# KiCad board dlev-mini.kicad_pcb
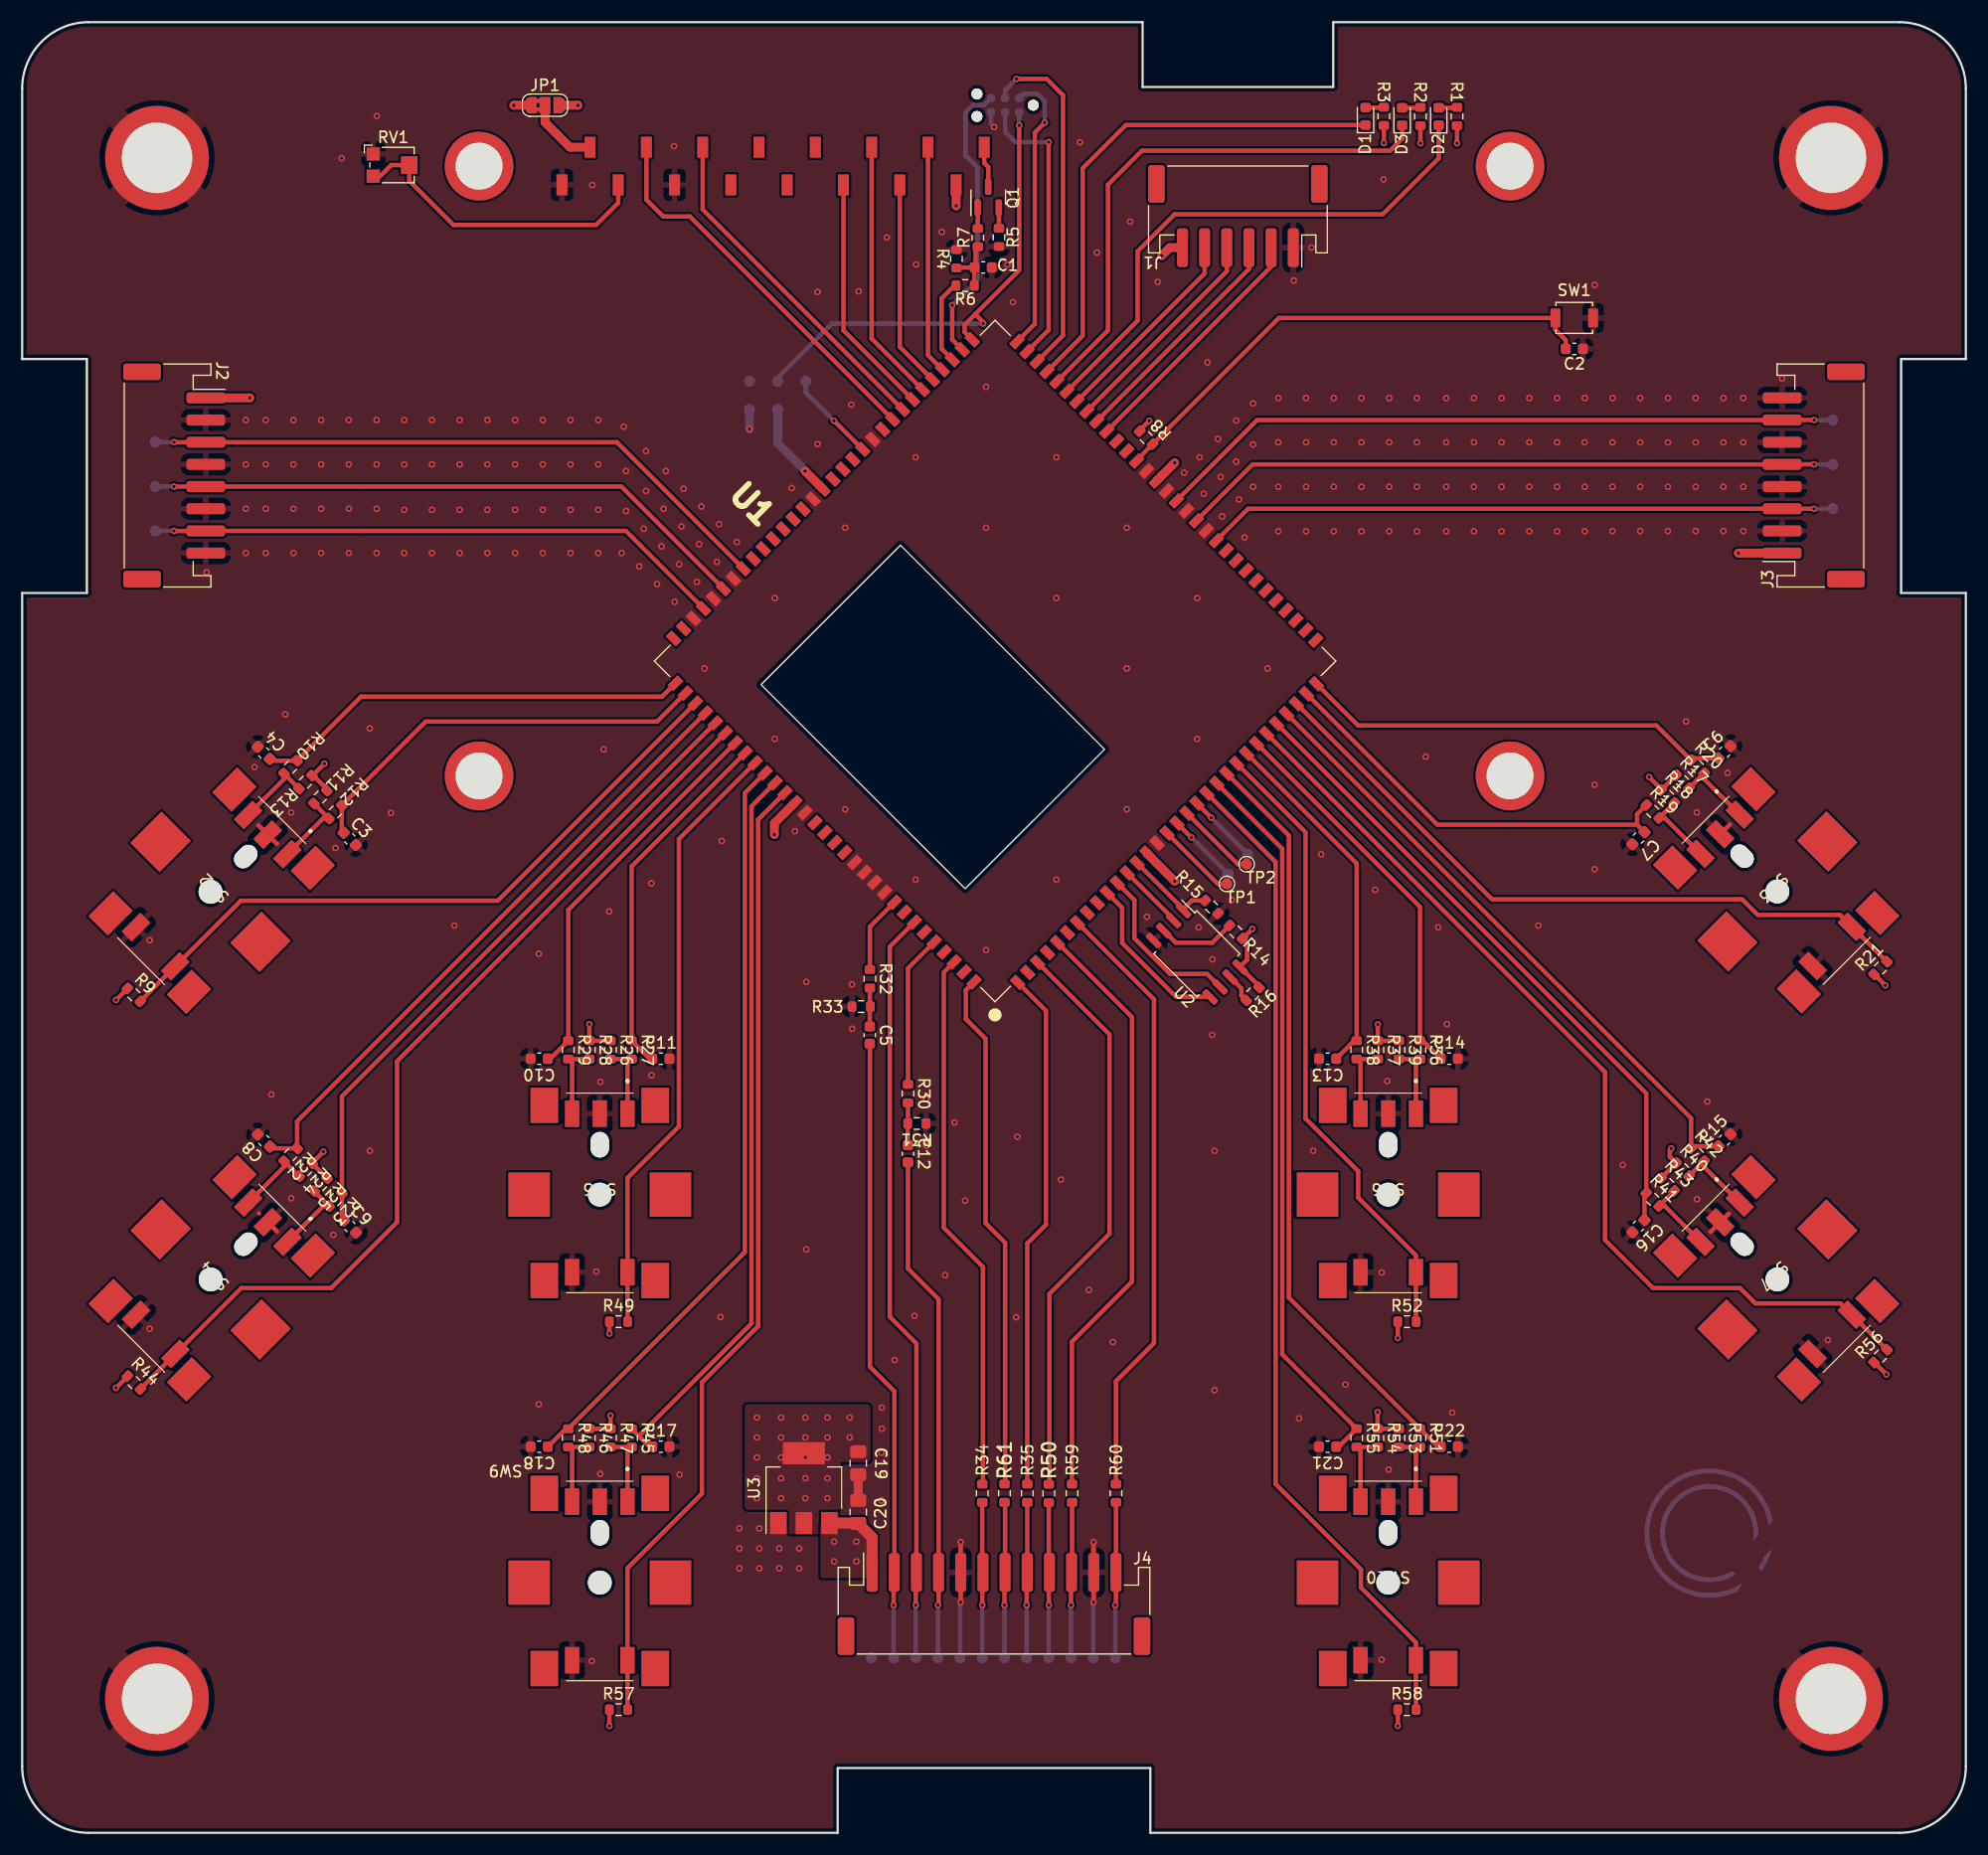
[diagram p0: board, top side]
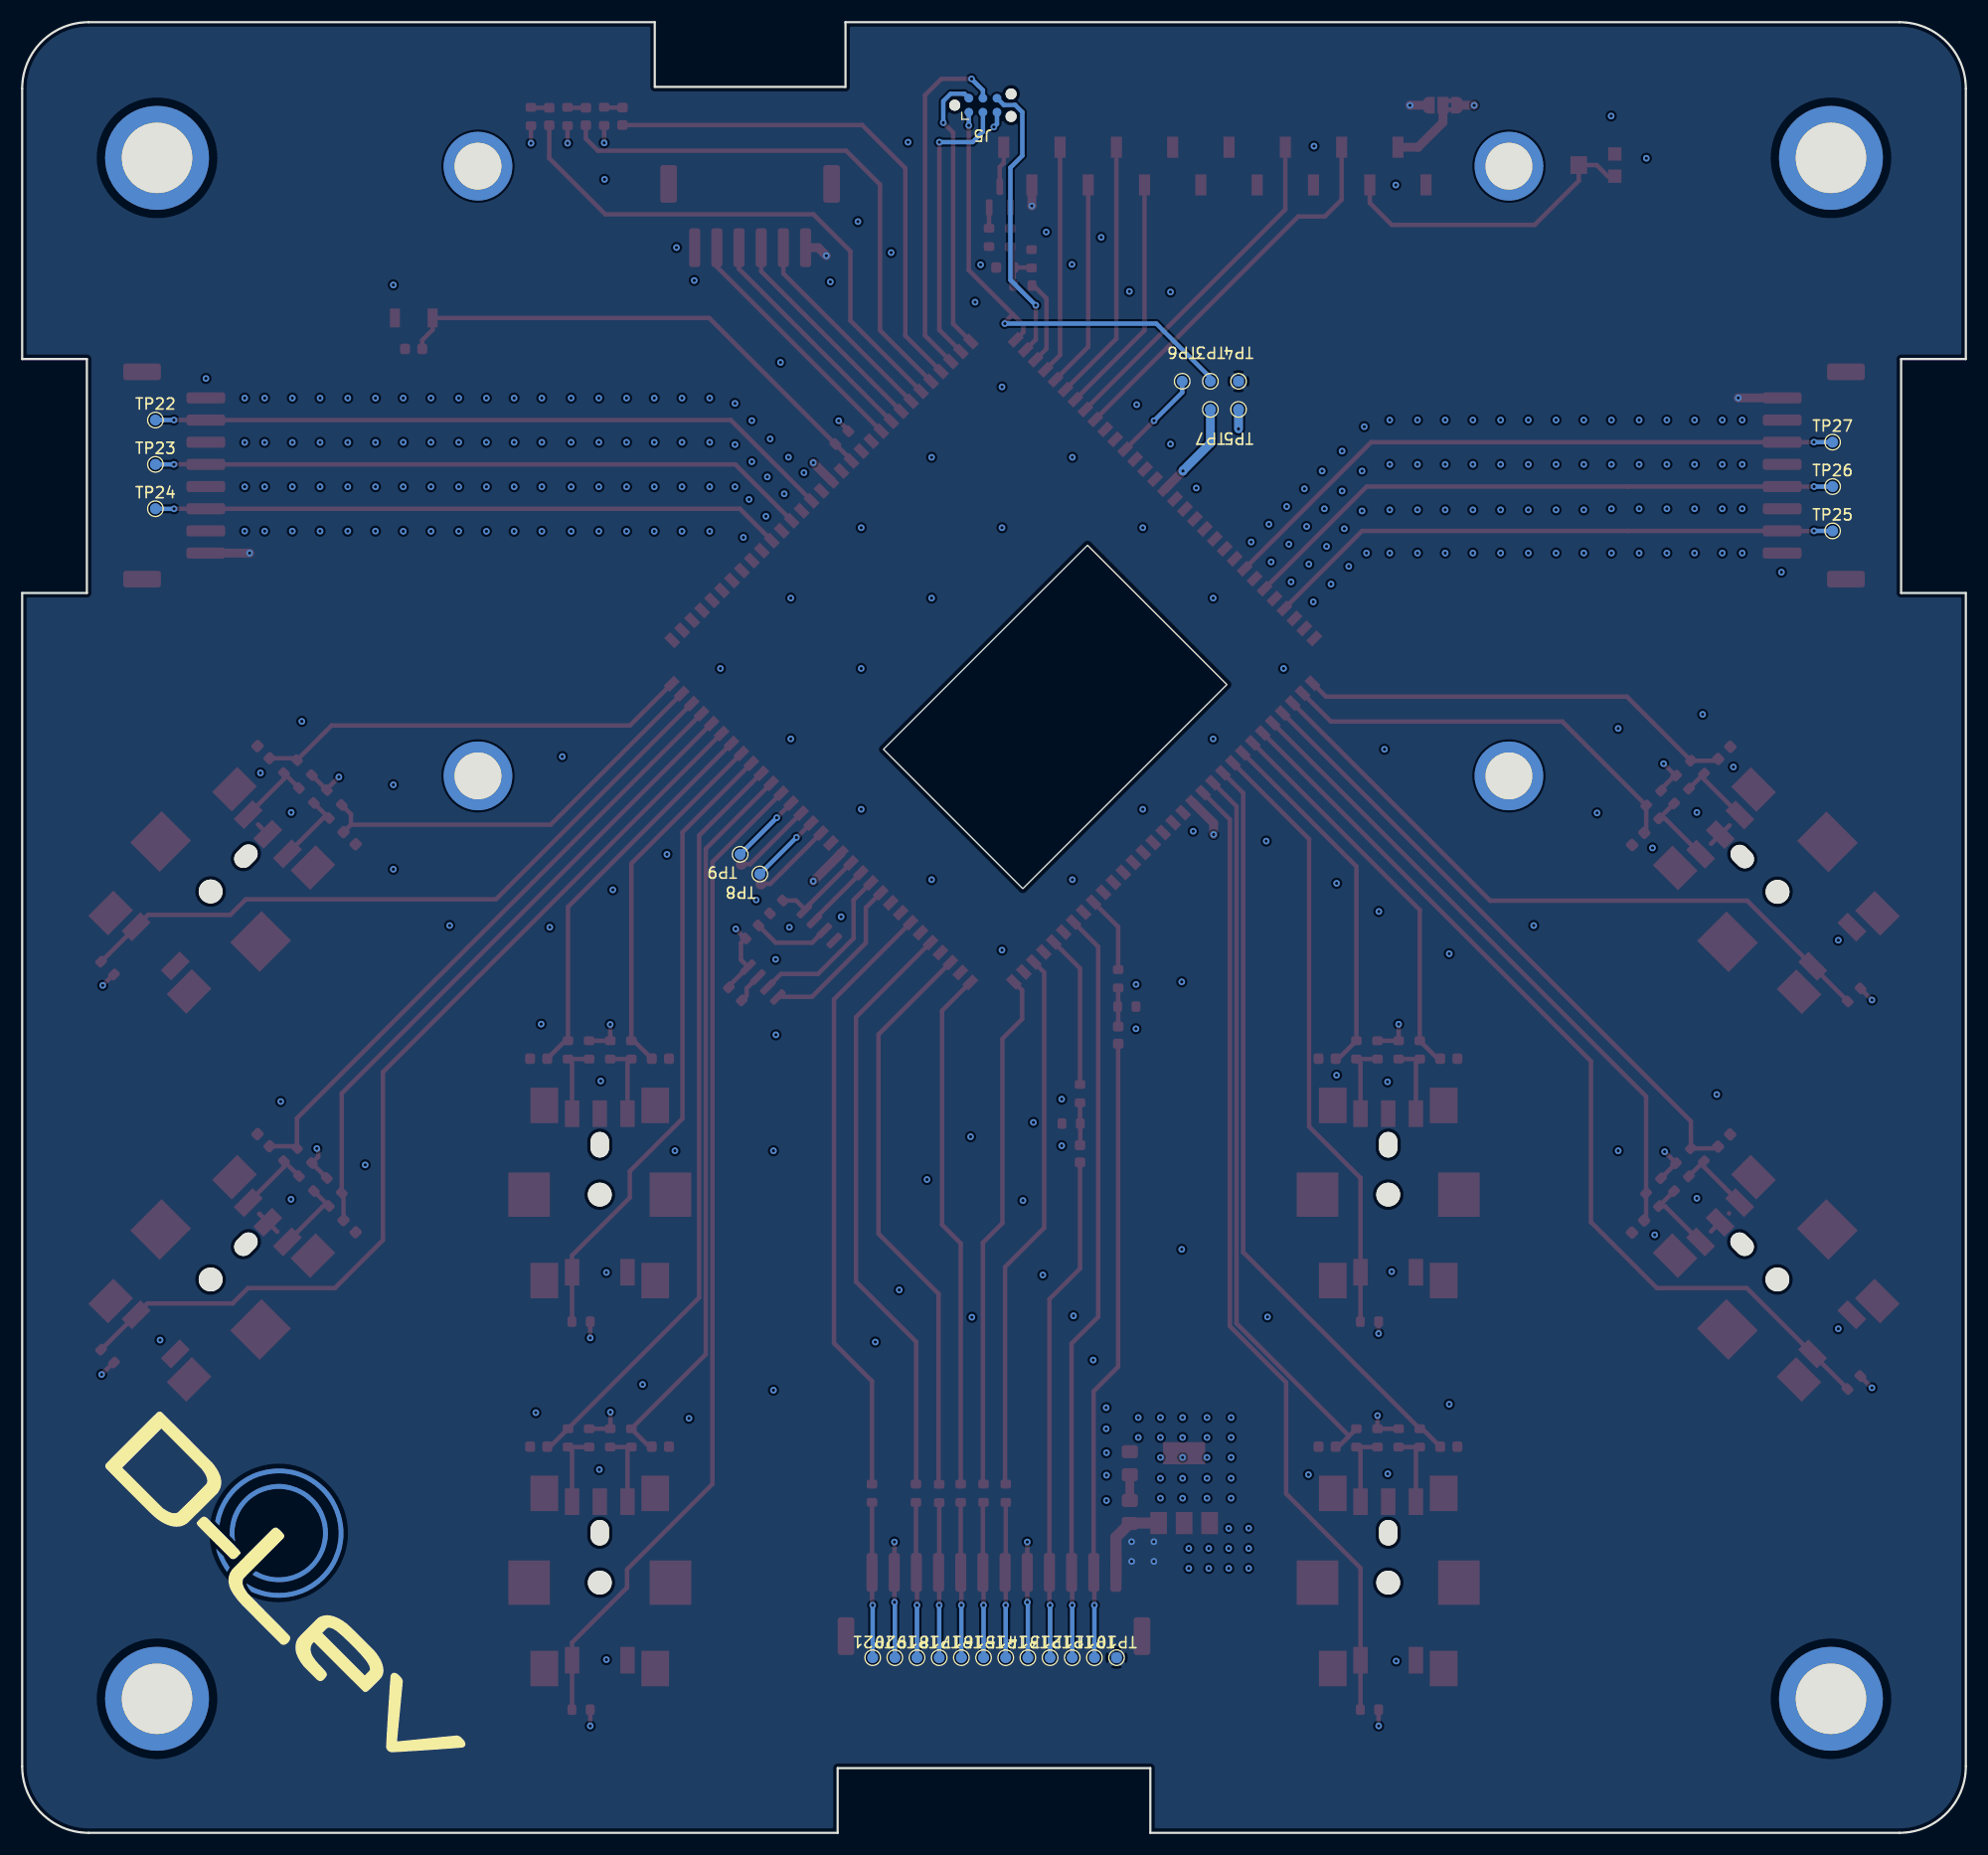
[diagram p1: board, bottom side, seen from below]

Outline 175.33 x 163.33 mm; copper layers: Top, In1.Cu, In2.Cu, Bottom. Coordinates in mm from the lower left corner of the outline.
Outline path: 73.57,0 73.57,5.84 101.77,5.84 101.77,0 ; 73.57,0 6,0 arc(1.76,1.76) 0,6 0,111.84 5.84,111.84 5.84,132.94 0,132.94 0,157.33 arc(1.76,161.57) 6,163.33 101.07,163.33 101.07,157.49 118.27,157.49 118.27,163.33 169.33,163.33 arc(173.57,161.57) 175.33,157.33 175.33,132.94 169.49,132.94 169.49,111.84 175.33,111.84 175.33,6 arc(173.57,1.76) 169.33,0 101.77,0
Stack: Top 0.035mm / dielectric 0.2mm FR4 er 4.6 / In1.Cu 0.0175mm / dielectric 1.075mm FR4 er 4.5 / In2.Cu 0.0175mm / dielectric 0.2mm FR4 er 4.6 / Bottom 0.035mm

## Placement (name value [footprint] x y rotation side)
C1  .1u  [C_0603_1608Metric]  86.69 141.2 0 top
C2  .01u  [C_0603_1608Metric]  140.02 133.86 0 top
C3  .01u  [C_0603_1608Metric]  29.55 89.66 315 top
C4  .01u  [C_0603_1608Metric]  21.79 97.42 135 top
C5  100n  [C_0603_1608Metric]  76.46 71.96 270 top
C6  .01u  [C_0603_1608Metric]  153.56 97.48 45 top
C7  .01u  [C_0603_1608Metric]  145.8 89.72 225 top
C8  .01u  [C_0603_1608Metric]  21.81 62.45 135 top
C9  .01u  [C_0603_1608Metric]  29.57 54.69 315 top
C10  .01u  [C_0603_1608Metric]  46.64 69.83 180 top
C11  .01u  [C_0603_1608Metric]  57.62 69.83 0 top
C12  100n  [C_0603_1608Metric]  79.91 61.26 270 top
C13  .01u  [C_0603_1608Metric]  117.76 69.83 180 top
C14  .01u  [C_0603_1608Metric]  128.74 69.83 0 top
C15  .01u  [C_0603_1608Metric]  153.56 62.48 45 top
C16  .01u  [C_0603_1608Metric]  145.8 54.72 225 top
C17  .01u  [C_0603_1608Metric]  57.62 34.83 0 top
C18  .01u  [C_0603_1608Metric]  46.64 34.83 180 top
C19  22u  [C_0805_2012Metric_Pad1.18x1.45mm_HandSolder]  75.42 33.34 270 top
C20  22u  [C_0805_2012Metric_Pad1.18x1.45mm_HandSolder]  75.42 28.94 90 top
C21  .01u  [C_0603_1608Metric]  117.76 34.83 180 top
C22  .01u  [C_0603_1608Metric]  128.74 34.83 0 top
D1  LED  [LED_0603_1608Metric]  121.18 154.84 90 top
D2  LED  [LED_0603_1608Metric]  127.78 154.82 90 top
D3  LED  [LED_0603_1608Metric]  124.48 154.82 90 top
DS1  LCD-20X4B-noshield  [ERM2004-2]  87.67 122.84 0 top
G***  LOGO  [logo_full]  152.01 27.23 225 bottom
H1  MountingHole_Pad  [SMTSO-M4]  12.17 151.09 0 top
H2  MountingHole_Pad  [SMTSO-M4]  163.17 151.09 0 top
H3  M3 Standoff  [SMTSO-M3]  41.22 150.34 0 top
H4  M3 Standoff  [SMTSO-M3]  134.22 150.34 0 top
H5  M3 Standoff  [SMTSO-M3]  41.22 95.34 0 top
H6  M3 Standoff  [SMTSO-M3]  134.22 95.34 0 top
H7  MountingHole_Pad  [SMTSO-M4]  12.17 12.09 0 top
H8  MountingHole_Pad  [SMTSO-M4]  163.17 12.09 0 top
J1  S6B-PH-SM4-TB  [JST_PH_S6B-PH-SM4-TB_1x06-1MP_P2.00mm_Horizontal]  109.67 145.84 180 top
J2  S8B-PH-SM4-TB  [JST_PH_S8B-PH-SM4-TB_1x08-1MP_P2.00mm_Horizontal]  13.72 122.44 270 top
J3  S8B-PH-SM4-TB  [JST_PH_S8B-PH-SM4-TB_1x08-1MP_P2.00mm_Horizontal]  161.62 122.44 90 top
J4  S12B-PH-SM4-TB  [JST_PH_S12B-PH-SM4-TB_1x12-1MP_P2.00mm_Horizontal]  87.67 20.64 0 top
J5  Tag-Connect TC2030-NL  [Tag-Connect_TC2030-IDC-NL_2x03_P1.27mm_Vertical]  88.67 155.84 180 bottom
JP1  LCD_VSEL  [SolderJumper-3_P1.3mm_Bridged2Bar12_RoundedPad1.0x1.5mm_NumberLabels]  47.17 155.84 0 top
Q1  MMBT3904  [SOT-23]  87.15 147.55 90 top
R1  1k  [R_0603_1608Metric]  129.44 154.82 270 top
R2  1k  [R_0603_1608Metric]  126.13 154.82 270 top
R3  1k  [R_0603_1608Metric]  122.83 154.84 270 top
R4  1k  [R_0603_1608Metric]  84.28 141.99 270 top
R5  22  [R_0603_1608Metric]  88.11 143.92 90 top
R6  1k  [R_0603_1608Metric]  85.07 139.57 0 top
R7  1k  [R_0603_1608Metric]  86.21 143.89 90 top
R8  10k  [R_0603_1608Metric]  101.4 125.86 135 top
R9  10k  [R_0603_1608Metric]  10.08 75.59 315 top
R10  10k  [R_0603_1608Metric]  24.21 96.13 225 top
R11  10k  [R_0603_1608Metric]  26.9 93.43 225 top
R12  10k  [R_0603_1608Metric]  28.25 92.09 225 top
R13  10k  [R_0603_1608Metric]  25.55 94.78 225 top
R14  10k  [R_0603_1608Metric]  109.49 81.27 315 top
R15  10k  [R_0603_1608Metric]  107.29 83.52 315 top
R16  10k  [R_0603_1608Metric]  111 75.68 45 top
R17  10k  [R_0603_1608Metric]  149.78 94.83 315 top
R18  10k  [R_0603_1608Metric]  148.44 93.48 315 top
R19  10k  [R_0603_1608Metric]  147.09 92.13 315 top
R20  10k  [R_0603_1608Metric]  151.13 96.18 315 top
R21  10k  [R_0603_1608Metric]  167.63 78.01 45 top
R22  10k  [R_0603_1608Metric]  24.22 61.16 225 top
R23  10k  [R_0603_1608Metric]  28.26 57.12 225 top
R24  10k  [R_0603_1608Metric]  25.57 59.81 225 top
R25  10k  [R_0603_1608Metric]  26.91 58.47 225 top
R26  10k  [R_0603_1608Metric]  53.07 70.63 270 top
R27  10k  [R_0603_1608Metric]  54.98 70.63 270 top
R28  10k  [R_0603_1608Metric]  51.17 70.63 270 top
R29  10k  [R_0603_1608Metric]  49.26 70.63 270 top
R30  210  [R_0603_1608Metric]  79.91 66.68 270 top
R31  110  [R_0603_1608Metric]  80.71 63.98 180 top
R32  210  [R_0603_1608Metric]  76.47 77.04 270 top
R33  110  [R_0603_1608Metric]  75.69 74.53 0 top
R34  100  [R_0603_1608Metric]  86.6 30.63 90 top
R35  100  [R_0603_1608Metric]  90.67 30.63 90 top
R36  10k  [R_0603_1608Metric]  126.1 70.63 270 top
R37  10k  [R_0603_1608Metric]  122.29 70.63 270 top
R38  10k  [R_0603_1608Metric]  120.38 70.63 270 top
R39  10k  [R_0603_1608Metric]  124.19 70.63 270 top
R40  10k  [R_0603_1608Metric]  149.78 59.83 315 top
R41  10k  [R_0603_1608Metric]  147.09 57.13 315 top
R42  10k  [R_0603_1608Metric]  151.13 61.18 315 top
R43  10k  [R_0603_1608Metric]  148.44 58.48 315 top
R44  10k  [R_0603_1608Metric]  10.09 40.62 315 top
R45  10k  [R_0603_1608Metric]  54.98 35.63 270 top
R46  10k  [R_0603_1608Metric]  51.17 35.63 270 top
R47  10k  [R_0603_1608Metric]  53.07 35.63 270 top
R48  10k  [R_0603_1608Metric]  49.26 35.63 270 top
R49  10k  [R_0603_1608Metric]  53.8 46.11 0 top
R50  100  [R_0603_1608Metric]  92.61 30.61 90 top
R51  10k  [R_0603_1608Metric]  126.1 35.63 270 top
R52  10k  [R_0603_1608Metric]  124.92 46.11 0 top
R53  10k  [R_0603_1608Metric]  124.19 35.63 270 top
R54  10k  [R_0603_1608Metric]  122.29 35.63 270 top
R55  10k  [R_0603_1608Metric]  120.38 35.63 270 top
R56  10k  [R_0603_1608Metric]  167.63 43.01 45 top
R57  10k  [R_0603_1608Metric]  53.8 11.11 0 top
R58  10k  [R_0603_1608Metric]  124.92 11.11 0 top
R59  100  [R_0603_1608Metric]  94.71 30.63 90 top
R60  0  [R_0603_1608Metric]  98.67 30.63 90 top
R61  100  [R_0603_1608Metric]  88.61 30.64 90 top
RV1  10K  [Potentiometer_Bourns_TC33X_Vertical]  33.47 150.44 0 top
SW1  SW_Push  [SW_SPST_B3U-1000P]  140.01 136.65 0 top
SW2  RotaryEncoder_Switch  [PEC11S-929K]  17.09 84.99 135 top
SW3  RotaryEncoder_Switch  [PEC11S-929K]  158.23 85.02 225 top
SW4  RotaryEncoder_Switch  [PEC11S-929K]  17.11 50.02 135 top
SW5  RotaryEncoder_Switch  [PEC11S-929K#2]  52.11 57.72 180 top
SW6  RotaryEncoder_Switch  [PEC11S-929K#2]  123.23 57.72 180 top
SW7  RotaryEncoder_Switch  [PEC11S-929K]  158.23 50.02 225 top
SW9  RotaryEncoder_Switch  [PEC11S-929K#2]  52.11 22.72 180 top
SW10  RotaryEncoder_Switch  [PEC11S-929K#2]  123.23 22.72 180 top
TP1  GPIO_O3  [TestPoint_Pad_D1.0mm]  108.67 85.6 0 top
TP2  GPIO_I3  [TestPoint_Pad_D1.0mm]  110.45 87.38 0 top
TP3  2v5  [TestPoint_Pad_D1.0mm]  68.15 130.94 180 bottom
TP4  VDD  [TestPoint_Pad_D1.0mm]  65.61 130.94 180 bottom
TP5  GND  [TestPoint_Pad_D1.0mm]  65.61 128.4 180 bottom
TP6  1v2  [TestPoint_Pad_D1.0mm]  70.69 130.94 180 bottom
TP7  3v3  [TestPoint_Pad_D1.0mm]  68.15 128.4 180 bottom
TP8  GPIO_O2  [TestPoint_Pad_D1.0mm]  108.79 86.49 180 bottom
TP9  GPIO_I2  [TestPoint_Pad_D1.0mm]  110.57 88.27 180 bottom
TP10  TestPoint  [TestPoint_Pad_D1.0mm]  76.61 15.8 180 bottom
TP11  TestPoint  [TestPoint_Pad_D1.0mm]  78.61 15.8 180 bottom
TP12  TestPoint  [TestPoint_Pad_D1.0mm]  80.61 15.8 180 bottom
TP13  TestPoint  [TestPoint_Pad_D1.0mm]  82.61 15.8 180 bottom
TP14  TestPoint  [TestPoint_Pad_D1.0mm]  84.61 15.8 180 bottom
TP15  TestPoint  [TestPoint_Pad_D1.0mm]  86.61 15.8 180 bottom
TP16  TestPoint  [TestPoint_Pad_D1.0mm]  88.61 15.8 180 bottom
TP17  TestPoint  [TestPoint_Pad_D1.0mm]  90.61 15.8 180 bottom
TP18  TestPoint  [TestPoint_Pad_D1.0mm]  92.61 15.8 180 bottom
TP19  TestPoint  [TestPoint_Pad_D1.0mm]  94.61 15.8 180 bottom
TP20  TestPoint  [TestPoint_Pad_D1.0mm]  96.61 15.8 180 bottom
TP21  TestPoint  [TestPoint_Pad_D1.0mm]  98.61 15.8 180 bottom
TP22  TestPoint  [TestPoint_Pad_D1.0mm]  163.31 127.44 180 bottom
TP23  TestPoint  [TestPoint_Pad_D1.0mm]  163.31 123.44 180 bottom
TP24  TestPoint  [TestPoint_Pad_D1.0mm]  163.31 119.44 180 bottom
TP25  TestPoint  [TestPoint_Pad_D1.0mm]  12.02 117.44 180 bottom
TP26  TestPoint  [TestPoint_Pad_D1.0mm]  12.02 121.44 180 bottom
TP27  TestPoint  [TestPoint_Pad_D1.0mm]  12.02 125.45 180 bottom
U1  AC608  [ac608-toponly]  57.02 105.7 315 top
U2  25LCxxx  [SOIC-8_5.275x5.275mm_P1.27mm]  105.97 79.29 315 top
U3  AMS1117-3.3  [SOT-223-3_TabPin2]  70.52 31.09 90 top

## Library data of the parts
C1-C18 C21 C22 = -: Description: Unpolarized capacitor, small symbol
C19 C20 = -: Description: Polarized capacitor, US symbol
D1-D3 = -: Description: Light emitting diode
DS1 = -: MANUFACTURER: Gravitech; MAXIMUM_PACKAGE_HEIGHT: 14 mm; PARTREV: N/A; STANDARD: Manufacturer Recommendations
H1-H8 = -: Description: Mounting Hole with connection
J1 = -: Description: Generic connectable mounting pin connector, single row, 01x06, script generated (kicad-library-utils/schlib/autogen/connector/)
J2 J3 = -: Description: Generic connectable mounting pin connector, single row, 01x08, script generated (kicad-library-utils/schlib/autogen/connector/)
J4 = -: Description: Generic connectable mounting pin connector, single row, 01x12, script generated (kicad-library-utils/schlib/autogen/connector/)
J5 = -: Description: Generic connector, double row, 02x03, odd/even pin numbering scheme (row 1 odd numbers, row 2 even numbers), script generated (kicad-library-utils/schlib/autogen/connector/)
JP1 = -: Description: 3-pole Solder Jumper, pins 1+2 closed/bridged; Field5: 3; Field6: 1
Q1 = -: Description: 0.2A Ic, 40V Vce, Small Signal NPN Transistor, SOT-23
R1-R3 R8 R30-R35 R50 R59-R61 = -: Description: Resistor
R4-R7 = -: Description: Resistor, small US symbol
R9-R29 R36-R49 R51-R58 = -: Description: Resistor, small symbol
RV1 = -: Description: Trim-potentiometer, US symbol
SW1 = -: Description: Push button switch, generic, two pins
SW2-SW7 SW9 SW10 = -: Description: Rotary encoder, dual channel, incremental quadrate outputs, with switch
TP1-TP27 = -: Description: test point
U1 = -: Description: AC608 Xiaomiege FPGA module
U2 = -: Description: SPI Serial EEPROM, DIP-8/SOIC-8/TSSOP-8
U3 = -: Description: 1A Low Dropout regulator, positive, 3.3V fixed output, SOT-223
